# Altium PCB PCB_Kasli.PCBDOC (part 12 of 14)
Units mm, origin at the board's own origin, x right, y up, seen from the top; angles counter-clockwise.
Board outline 162.29 x 100 mm, 6 copper layers (TopLayer, MidLayer1, MidLayer2, SignalLayer1, Internal Plane 1, BottomLayer), stack 1.528 mm thick; 646 components, 567 nets, 2756 pads, 1560 vias.
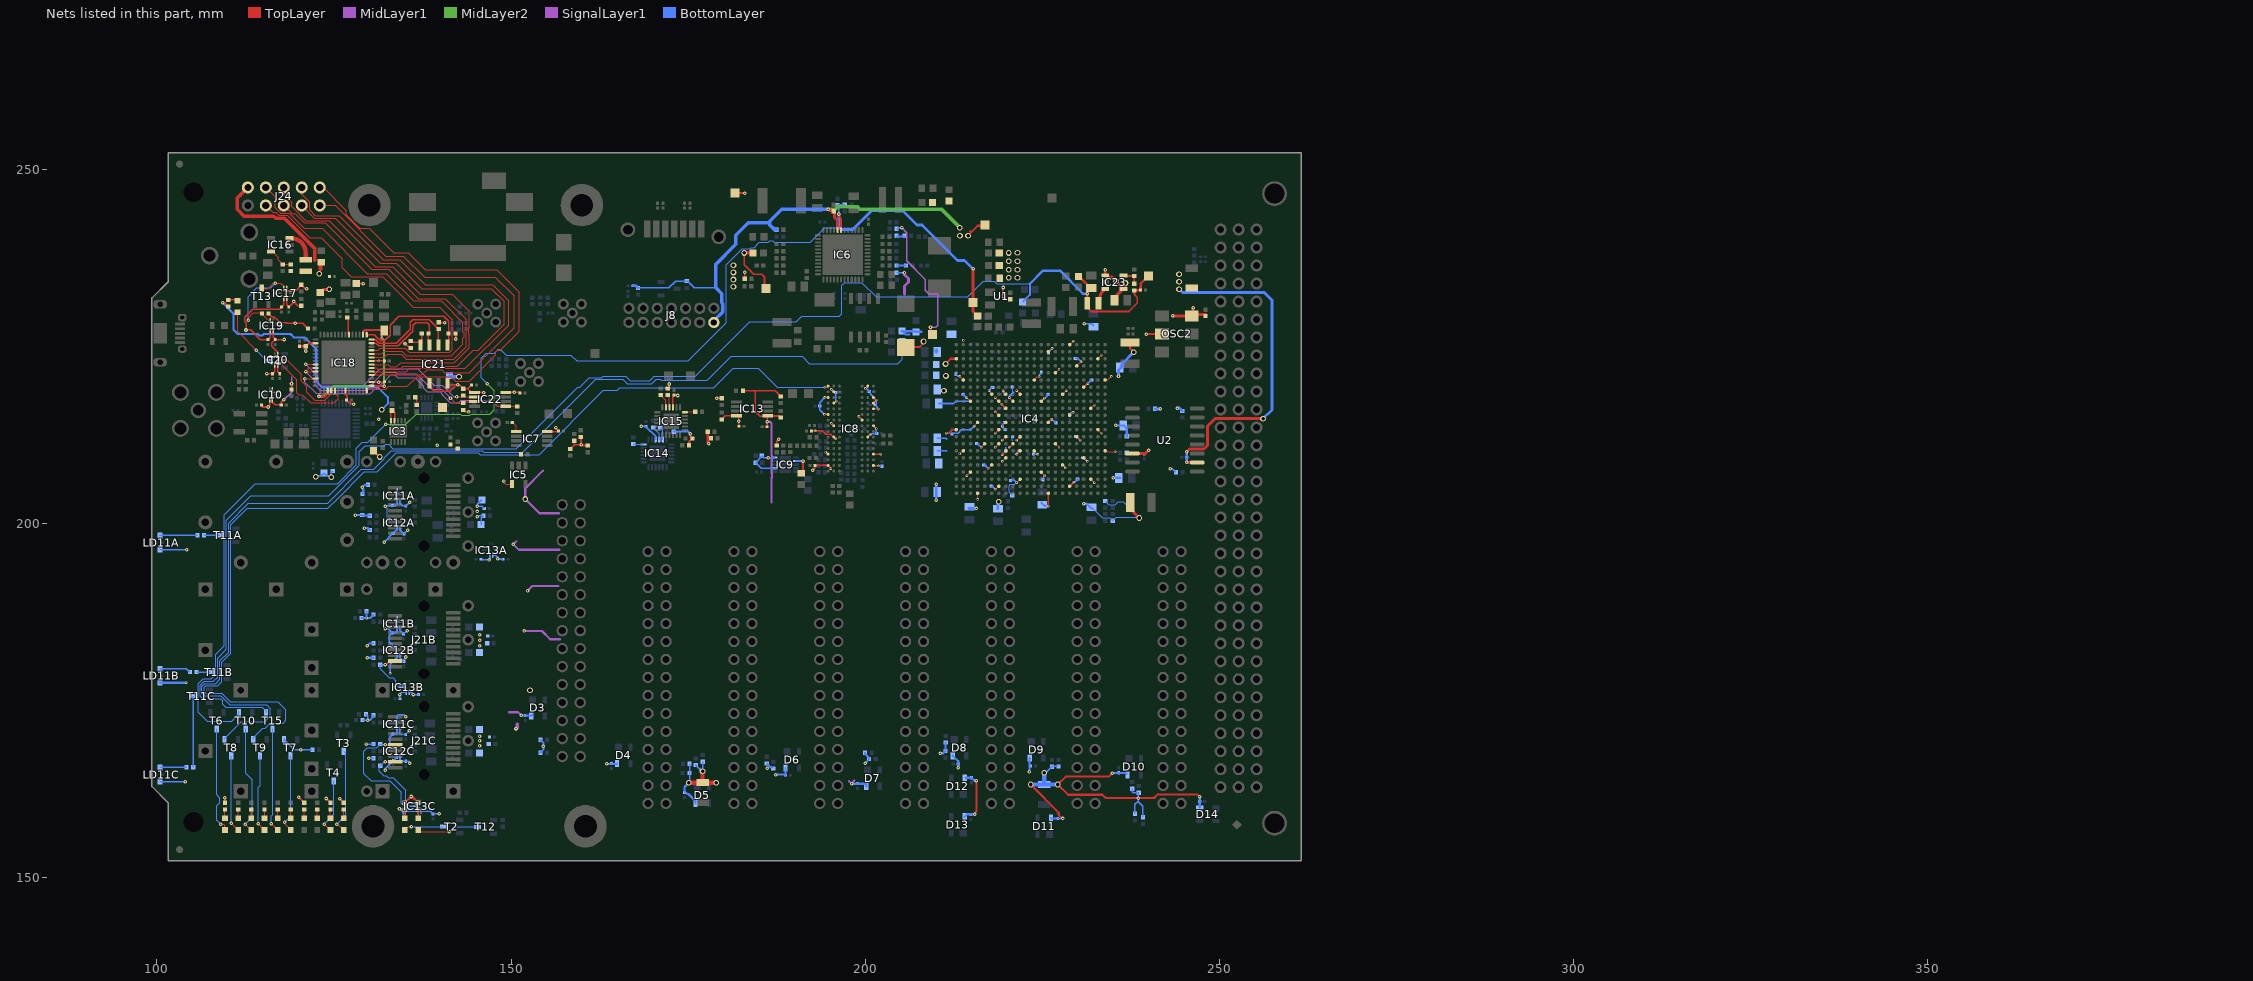
[diagram p16: the nets of this part, all layers, seen from the top]

## Via types
v1: diameter 0.5, hole 0.2, TopLayer to BottomLayer, tented both sides, 724 vias
v2: diameter 0.35, hole 0.15, TopLayer to BottomLayer, tented both sides, 628 vias
v3: diameter 0.8, hole 0.5, TopLayer to BottomLayer, tented both sides, 122 vias
v4: diameter 0.8, hole 0.5, TopLayer to BottomLayer, 66 vias
v5: diameter 0.5, hole 0.2, TopLayer to BottomLayer, 20 vias

## Nets (pads, with @x,y where several pads share a name; then routed paths per layer and width w, separated by ;. In a path a pad name is that pad's centre, name@x,y a point inside that pad or via, vN(x,y) a via of type N, cw(c..) or ccw(c..) an arc to the next point about the centre after c; other vN are vias at no path point) (continued)
NetIC13B_9: IC13B.9 J21B.9 R130B.2 | length 6.9
  TopLayer w0.2: v1(132.225,180.136) 132.282,180.194 132.441,180.194 132.879,180.633 J21B.9@133.629,180.633
  BottomLayer w0.125: v1(132.225,180.136) 131.584,180.136 R130B.2@131.534,180.086 131.534,179.509 132.8,178.243 133.357,178.243 133.743,177.857 133.743,177.3 IC13B.9@134.143,176.9
NetIC13C_8: IC13C.8 J21C.6 R137C.1 | length 18
  TopLayer w0.125: v1(132.225,168.788) J21C.6@133.644,168.788
  BottomLayer w0.125: v1(132.225,168.788) 132.103,168.91 R137C.1@131.534,168.91 131.024,168.4 129.725,168.4 129.184,167.859 129.184,164.741 130.225,163.7 132.9,163.7 134.522,162.078 134.522,160.578 135.36,159.74 IC13C.8@136.186,159.74
NetIC13C_9: IC13C.9 J21C.9 R130C.2 | length 10.8
  TopLayer w0.125: v1(132.225,166.388) J21C.9@133.644,166.388
  BottomLayer w0.125: R130C.2@131.383,165.711 131.383,165.073 132.056,164.4 132.396,164.4 132.658,164.138 133.381,164.138 135.1,162.418 135.1,160.7 135.66,160.14 IC13C.9@136.186,160.14 ; R130C.2@131.534,165.862 132.06,166.388 v1(132.225,166.388)
NetIC14_18: IC14.18 R152.2 | length 1.4
  BottomLayer w0.125: R152.2@167.275,211.275 IC14.18@168.65,211.275
NetIC14_22: IC14.22 R154.2 | length 2.1
  BottomLayer w0.125: R154.2@170.058,213.622 170.925,212.755 IC14.22@170.925,211.9
NetIC14_23: IC14.23 R153.2 | length 1.9
  BottomLayer w0.125: R153.2@171.074,213.622 171.425,213.271 IC14.23@171.425,211.9
NetIC15_18: IC15.18 R177.2 | length 1.4
  TopLayer w0.125: IC15.18@174.63,215.825 R177.2@176.005,215.825
NetIC15_22: IC15.22 R181.2 | length 1.8
  TopLayer w0.125: R181.2@172.143,218.17 172.356,217.957 IC15.22@172.356,216.451
NetIC15_23: IC15.23 R179.2 | length 2
  TopLayer w0.125: R179.2@171.127,218.17 171.856,217.441 IC15.23@171.856,216.451
NetIC16_3: IC16.3 L23.1 | length 4.5
  TopLayer w0.6: IC16.3@118.72,240.341 118.913,240.341 cw(c118.913,238.238) 120.4,239.725 cw(c118.949,238.274) 121.001,238.274 L23.1@121.001,237.274
NetIC16_5: IC16.5 R192.1 R193.2 | length 3.7
  TopLayer w0.15: IC16.5@116.12,238.441 116.359,238.441 117.125,237.675 117.125,237.294 R193.2@117.774,236.645 R192.1@118.875,236.645
NetIC17_2: IC17.2 IC19.2 R194.1 T13.3 | length 16
  TopLayer w0.15: v1(112.875,228.775) 112.875,229.052 113.623,229.8 R194.1@114.775,229.8 ; R194.1@114.808,229.525 114.95,229.525 115.81,228.665 IC19.2@116.005,228.665 ; IC17.2@117.91,233.237 117.91,233.54 117.45,234 v1(116.725,234) 116.425,234 115.646,233.221 T13.3@114.808,233.221 ; T13.3@114.808,233.221 114.808,233.179 114.787,233.2 T13.3@114.808,233.221
  BottomLayer w0.15: v1(112.875,228.775) 112.875,232.1 114.125,233.35 116.075,233.35 v1(116.725,234)
NetIC18_1: IC18.1 IC21.1 R204.1 | length 17.7
  TopLayer w0.2: IC18.1@129.615,226.708 130.692,226.708 131.041,226.359 ; 131.041,226.358 131.574,225.825 132.096,225.825 132.911,226.64 132.911,228.06 134.164,229.313 140.487,229.313 141.193,228.607 R204.1@141.193,226.871 IC21.1@141.193,225.418
NetIC18_6: IC18.6 R199.2 | length 2.5
  TopLayer w0.2: R199.2@126.873,229.146 127.044,228.975 127.044,226.779 IC18.6@127.115,226.708
NetIC18_22: IC18.22 IC22.2 R207.1 | length 29.9
  TopLayer w0.125: v1(120.983,222.508) IC18.22@122.415,222.508 ; v1(142.3,217.95) 143.052,217.95 R207.1@143.235,218.133 143.456,217.912 IC22.2@144.845,217.912
  SignalLayer1 w0.125: v1(120.983,222.508) 122.775,220.716 122.775,219.75 123.05,219.475 129.125,219.475 131.55,221.9 136.85,221.9 139.175,219.575 140.3,219.575 141.925,217.95 v1(142.3,217.95)
NetIC18_23: IC18.23 IC18.24 IC22.3 R206.1 | length 31.5
  TopLayer w0.125: 121.35,221.5 121.342,221.508 ; IC18.24@122.415,221.508 121.342,221.508 ; IC18.23@122.415,222.008 121.508,222.008 121.213,221.713 ; v1(141.45,217.725) 142.134,217.041 R206.1@143.235,217.041 143.456,217.262 IC22.3@144.845,217.262 ; 121.213,221.713 v1(121.008,221.508) 121.342,221.508 ; 121.213,221.713 121.213,221.637 121.342,221.508
  SignalLayer1 w0.125: v1(121.008,221.508) 122.35,220.166 122.35,219.6 123.075,218.875 129.531,218.875 132.056,221.4 133.625,221.4 133.825,221.2 136.6,221.2 138.825,218.975 140.2,218.975 v1(141.45,217.725)
NetIC18_26: IC18.26 IC22.5 R208.2 | length 36.2
  TopLayer w0.125: v1(120.9,220.5) 122.223,220.5 122.323,220.6 IC18.26@122.415,220.508 ; v1(147.05,217.475) 147.2,217.475 148.063,216.612 IC22.5@149.245,216.612 ; IC22.5@149.286,216.571 R208.2@150.893,216.571
  SignalLayer1 w0.125: v1(120.9,220.5) 120.9,220.025 122.477,218.448 123.073,218.448 123.121,218.4 125.902,218.4 125.947,218.446 126.33,218.446 126.376,218.4 130.15,218.4 130.75,219 130.964,219 131.883,219.919 131.919,219.919 133.038,221.038 133.563,221.038 134,220.6 136.5,220.6 137.7,219.4 137.7,219.125 138.2,218.625 139.996,218.625 140.309,218.313 140.309,218.212 141.446,217.075 142.6,217.075 143,217.475 v1(147.05,217.475)
NetIC18_32: IC18.32 IC20.9 | length 11.1
  TopLayer w0.125: IC20.9@117.74,223.139 118.361,223.139 120.4,221.1 120.4,220.225 121.175,219.45 121.175,218.55 122.25,217.475 123.727,217.475 124.615,218.363 IC18.32@124.615,218.808
NetIC18_33: IC18.33 IC20.8 | length 13.1
  TopLayer w0.125: IC20.8@117.74,222.739 117.74,222.335 119.725,220.35 119.725,218.5 120,218.225 120.55,218.225 121.7,217.075 125.018,217.075 125.594,217.65 125.594,217.971 125.115,218.45 IC18.33@125.115,218.808
NetIC18_42: IC18.42 J24.1 | length 66
  TopLayer w0.1: J24.1@122.987,247.498 123.452,247.498 126.75,244.2 126.75,243.654 128.654,241.75 130,241.75 133.45,238.3 135.5,238.3 137.9,235.9 148,235.9 151.175,232.725 151.175,227.2 148.525,224.55 148.114,224.55 147.85,224.286 147.85,223.875 144.125,220.15 142.2,220.15 141.583,220.767 136.724,220.767 135.357,219.4 132.696,219.4 132.277,218.981 129.621,218.981 129.615,218.975 IC18.42@129.615,218.808
NetIC18_46: IC18.46 J24.2 | length 60.5
  TopLayer w0.1: J24.2@122.987,244.958 125.167,244.958 132.325,237.8 134.8,237.8 137.8,234.8 147.8,234.8 150.425,232.175 150.425,227.675 146.4,223.65 146.314,223.65 146.05,223.386 146.05,223.3 144.1,221.35 140.586,221.35 140.186,221.75 138.15,221.75 137.425,221.025 130.332,221.025 IC18.46@130.315,221.008
NetIC18_47: IC18.47 J24.3 | length 62.6
  TopLayer w0.1: J24.3@120.447,247.498 120.447,246.513 121.547,245.413 121.547,244.353 122.375,243.525 125.75,243.525 131.975,237.3 134.3,237.3 137.85,233.75 147.45,233.75 149.7,231.5 149.7,228.075 143.564,221.939 135.606,221.939 135.175,221.508 IC18.47@130.315,221.508
NetIC18_48: IC18.48 J24.4 | length 58.8
  TopLayer w0.1: J24.4@120.447,244.958 122.229,243.175 125.171,243.175 131.546,236.8 133.8,236.8 137.4,233.2 147.225,233.2 149.025,231.4 149.025,228.2 145.35,224.525 144.65,224.525 142.375,222.25 134.8,222.25 134.375,221.825 131.2,221.825 131.017,222.008 IC18.48@130.315,222.008
NetIC18_49: IC18.49 J24.5 | length 54.6
  TopLayer w0.1: J24.5@117.907,247.498 117.907,246.513 119.007,245.413 119.007,244.842 121.024,242.825 124.325,242.825 130.85,236.3 133.3,236.3 137.175,232.425 141.725,232.425 144.1,230.05 144.1,227.786 144.05,227.736 144.05,226.8 144.1,226.75 144.1,224.9 141.975,222.775 134.425,222.775 133.8,222.15 133.037,222.15 132.687,222.5 130.323,222.5 IC18.49@130.315,222.508
NetIC18_51: IC18.51 J24.6 | length 50.8
  TopLayer w0.1: J24.6@117.907,244.958 119.095,243.77 119.555,243.77 120.8,242.525 123.776,242.525 130.351,235.95 132.75,235.95 136.887,231.813 140.712,231.813 143.65,228.875 143.65,225 141.925,223.275 135.175,223.275 134.5,223.95 132.542,223.95 132.1,223.508 IC18.51@130.315,223.508
NetIC18_52: IC18.52 J24.7 | length 53.8
  TopLayer w0.1: J24.7@115.367,247.498 116.675,246.189 116.675,244.634 117.459,243.85 118.675,243.85 120.8,241.725 123.325,241.725 129.7,235.35 132.35,235.35 136.225,231.475 140.125,231.475 143.175,228.425 143.175,227.142 143.356,226.961 143.356,226.408 143.175,226.228 143.175,225.325 141.575,223.725 135.2,223.725 134.55,224.375 132.1,224.375 131.775,224.05 130.357,224.05 IC18.52@130.315,224.008
NetIC18_53: IC18.53 J24.8 | length 49.9
  TopLayer w0.1: J24.8@115.367,244.958 116.327,243.997 116.803,243.997 117.2,243.6 118.375,243.6 121.575,240.4 123.214,240.4 126.15,237.464 126.15,236.179 127.454,234.875 131.911,234.875 136.186,230.6 139.9,230.6 141.7,228.8 141.7,224.55 141.35,224.2 135.625,224.2 135.05,224.775 131.542,224.775 131.275,224.508 IC18.53@130.315,224.508
NetIC18_55: IC18.55 IC21.3 R205.2 | length 12.9
  TopLayer w0.2: IC18.55@130.315,225.508 130.925,225.508 131.283,225.15 134.05,225.15 136.1,227.2 136.1,227.95 136.53,228.38 138.195,228.38 138.45,228.125 138.45,226.998 R205.2@138.323,226.871 IC21.3@138.323,225.418
NetIC18_56: IC18.56 IC21.2 R203.1 | length 14.5
  TopLayer w0.2: IC18.56@130.315,226.008 130.917,226.008 131.389,225.536 133.786,225.536 135.75,227.5 135.75,228.457 136.093,228.8 138.45,228.8 R203.1@139.72,227.53 ; IC21.2@139.72,225.291 R203.1@139.72,227.53 ; R203.1@139.85,227.4 R203.1@139.72,227.53
NetIC21_4: IC21.4 R202.1 R205.1 | length 2.6
  TopLayer w0.2: R202.1@135.825,225.655 IC21.4@137.02,225.655 ; IC21.4@137.383,225.418 R205.1@137.383,226.871
NetIC23_3: IC23.3 L10.1 | length 2.1
  TopLayer w0.3: L10.1@232.956,231.14 cw(c233.779,231.14) L10.1@233.197,231.722
  TopLayer w0.4: L10.1@233.15,231.925 cw(c234.345,231.925) 233.5,232.77 IC23.3@233.898,233.168
NetIC23_5: IC23.5 R14.1 R67.2 | length 2.5
  TopLayer w0.25: IC23.5@236.578,234.988 R67.2@237.998,234.988 R14.1@237.998,233.896
NetLD1_1: LD1.1 R15.1 | length 1.3
  TopLayer w0.2: R15.1@110.094,231.636 111.264,231.636 LD1.1@111.375,231.525
NetLD1_2: LD1.2 T1.3 | length 8.6
  TopLayer w0.125: LD1.2@111.375,229.875 111.375,227.175 v1(114.025,224.525)
  BottomLayer w0.125: v1(114.025,224.525) T1.3@115.538,223.012
NetLD2_1: LD2.1 R44.1 | length 1.2
  TopLayer w0.15: LD2.1@126.365,158.432 R44.1@126.365,159.677
NetLD2_2: LD2.2 T3.3 | length 12.3
  TopLayer w0.15: v1(125.375,157.6) 125.547,157.6 LD2.2@126.365,156.782
  BottomLayer w0.15: v1(125.375,157.6) 126.675,158.9 126.675,167.577 T3.3@126.365,167.887
NetLD3_1: LD3.1 R55.1 | length 1.2
  TopLayer w0.15: LD3.1@124.502,158.432 R55.1@124.502,159.677
NetLD3_2: LD3.2 T4.3 | length 7.8
  TopLayer w0.15: v1(123.6,157.6) LD3.2@124.418,156.782
  BottomLayer w0.15: v1(123.6,157.6) 124.968,158.968 T4.3@124.968,163.696
NetLD4_1: LD4.1 R82.1 | length 1.2
  TopLayer w0.15: LD4.1@109.601,158.432 R82.1@109.601,159.677
NetLD4_2: LD4.2 T6.3 | length 15.4
  TopLayer w0.15: v1(109,157.575) 109.4,157.575 109.601,157.374 LD4.2@109.601,156.782
  BottomLayer w0.15: T6.3@108.458,171.062 108.458,161.717 108.9,161.275 108.9,160.603 108.458,160.161 108.458,158.117 v1(109,157.575)
NetLD5_1: LD5.1 R88.1 | length 1.2
  TopLayer w0.15: LD5.1@118.914,158.432 R88.1@118.914,159.677
NetLD5_2: LD5.2 T7.3 | length 11.2
  TopLayer w0.15: v1(118.025,157.85) 118.025,157.671 LD5.2@118.914,156.782
  BottomLayer w0.15: v1(118.025,157.85) 118.872,158.697 T7.3@118.872,167.252
NetLD6_1: LD6.1 R89.1 | length 1.2
  TopLayer w0.15: LD6.1@111.464,158.432 R89.1@111.464,159.677
NetLD6_2: LD6.2 T8.3 | length 10.9
  TopLayer w0.15: v1(110.49,157.71) LD6.2@111.418,156.782
  BottomLayer w0.15: v1(110.49,157.71) T8.3@110.49,167.252
NetLD7_1: LD7.1 R90.1 | length 1.2
  TopLayer w0.15: LD7.1@115.189,158.432 R90.1@115.189,159.677
NetLD7_2: LD7.2 T9.3 | length 10.8
  TopLayer w0.15: v1(114.3,157.625) LD7.2@115.043,156.882
  BottomLayer w0.15: v1(114.3,157.625) 114.3,162.8 114.554,163.054 T9.3@114.554,167.252
NetLD8_1: LD8.1 R91.1 | length 1.2
  TopLayer w0.15: LD8.1@113.326,158.432 R91.1@113.326,159.677
NetLD8_2: LD8.2 T10.3 | length 15.4
  TopLayer w0.15: v1(112.475,157.6) LD8.2@113.293,156.782
  BottomLayer w0.15: v1(112.475,157.6) 113.425,158.55 113.425,163.9 112.522,164.803 T10.3@112.522,171.062
NetLD9_1: LD9.1 R86.1 | length 1.2
  TopLayer w0.15: LD9.1@122.64,158.432 R86.1@122.64,159.677
NetLD10_1: LD10.1 R87.1 | length 1.2
  TopLayer w0.15: LD10.1@120.777,158.432 R87.1@120.777,159.677
NetLD11A_1: LD11A.1 R143A.2 | length 5.3
  BottomLayer w0.2: LD11A.1@100.4,198.35 100.424,198.374 R143A.2@105.702,198.374
NetLD11B_1: LD11B.1 R143B.2 | length 4.5
  BottomLayer w0.2: LD11B.1@100.4,179.562 102.911,179.562 104.168,179.562 R143B.2@104.655,179.075
NetLD11C_1: LD11C.1 R143C.2 | length 3.8
  BottomLayer w0.2: LD11C.1@100.4,165.6 102.952,165.6 102.961,165.608 R143C.2@104.178,165.608
NetLD12_1: LD12.1 R74.1 | length 1.2
  TopLayer w0.15: LD12.1@117.052,158.432 R74.1@117.052,159.677
NetLD12_2: LD12.2 T15.3 | length 14.7
  TopLayer w0.15: v1(116.125,157.65) LD12.2@116.993,156.782
  BottomLayer w0.15: v1(116.125,157.65) 116.125,158.75 116.332,158.957 T15.3@116.332,171.062
NetLD13_1: LD13.1 R11.1 | length 1.2
  TopLayer w0.2: LD13.1@135,158.432 R11.1@135,159.677
NetLD13_2: LD13.2 T2.3 | length 5.7
  TopLayer w0.125: LD13.2@135,156.782 135.48,157.262 v1(135.938,157.262)
  BottomLayer w0.125: v1(135.938,157.262) T2.3@140.453,157.262
NetLD14_1: LD14.1 R20.1 | length 1.2
  TopLayer w0.2: LD14.1@136.9,158.432 R20.1@136.9,159.677
NetLD14_2: LD14.2 T12.3 | length 8.4
  TopLayer w0.125: LD14.2@137.182,156.5 v1(141.3,156.5)
  BottomLayer w0.125: v1(141.3,156.5) 142,157.2 T12.3@145.25,157.2
NetR10_1: R10.1 R28.2 | length 1.2
  TopLayer w0.2: R28.2@136.47,217.875 136.7,217.645 R10.1@136.7,216.77
NetR63_2: R63.2 R64.1 | length 1.3
  BottomLayer w0.3: R64.1@204.432,236.474 R63.2@205.778,236.474
NetR70_2: R70.2 R71.1 | length 1.1
  BottomLayer w0.3: R71.1@204.432,240.538 204.469,240.575 205.487,240.575 R70.2@205.524,240.538
NetR143A_1: R143A.1 T11A.3 | length 2.2
  BottomLayer w0.2: R143A.1@106.642,198.374 T11A.3@108.832,198.374
NetR143B_1: R143B.1 T11B.3 | length 2
  BottomLayer w0.2: R143B.1@105.595,179.075 T11B.3@107.557,179.075
NetR143C_1: R143C.1 T11C.3 | length 10.1
  BottomLayer w0.2: R143C.1@105.118,165.608 T11C.3@105.118,175.668
P1V0: C91.1 C92.2 C93.2 C94.2 C95.2 C96.2 C102.2 C103.2 C104.2 C105.2 C106.2 C107.2 C108.2 C109.2 C110.2 C141.2 IC4.H8 IC4.H10 IC4.J7 IC4.J9 IC4.K8 IC4.L7 IC4.M8 IC4.N7 IC4.P8 IC4.P10 IC4.R7 IC4.R9 IC4.T8 IC4.T10 L11.2 L12.2 L28.2 R69.2 T8.1 TP9.1 | length 210.3
  TopLayer w0.125: v2(218.372,210.815) IC4.R7@218.872,211.315 ; v2(218.372,212.815) IC4.N7@218.872,213.315 ; v2(218.372,215.815) IC4.L7@218.872,215.315 ; v2(218.372,217.815) IC4.J7@218.872,217.315 ; v2(219.372,211.815) IC4.P8@219.872,212.315 ; v2(219.372,213.815) IC4.M8@219.872,214.315 ; v2(220.336,210.835) 220.392,210.835 IC4.R9@220.872,211.315 ; v2(220.372,217.815) IC4.J9@220.872,217.315 ; v2(221.372,211.815) IC4.P10@221.872,212.315 ; v2(221.372,218.815) IC4.H10@221.872,218.315
  TopLayer w0.2: v2(219.325,209.768) IC4.T8@219.872,210.315 ; v2(221.425,209.815) 221.425,209.868 IC4.T10@221.872,210.315
  TopLayer w0.25: C91.1@205.75,224.9 205.825,224.975 207.725,224.975 208.5,225.75 v3(208.25,225.75) ; TP9.1@209.225,226.475 v1(209.225,227.775)
  TopLayer w0.3: v2(219.3,216.887) IC4.K8@219.872,216.315 ; v2@219.45,218.775 v2(219.486,218.811) 219.486,218.701 IC4.H8@219.872,218.315
  MidLayer1 w0.25: v1(205.147,241.842) 205.875,241.114 205.875,237.125 208.5,234.5 208.5,233 209,232.5 210.25,232.5 210.25,228.017 210.008,227.775 v1(209.225,227.775)
  BottomLayer w0.15: T8.1@109.54,169.552 109.54,169.715 111.9,172.075 115.25,172.075 116.025,172.85 116.025,173.9 115.475,174.45 110.275,174.45 109.025,175.7 106.725,175.7 106.35,176.075 106.35,177.05 106.75,177.45 108.293,177.45 108.875,178.032 108.875,180.65 110.125,181.9 110.125,200.1 112.925,202.9 124.1,202.9 128.875,207.675 130.584,207.675 132.1,209.191 132.1,209.35 133.1,210.35 145.925,210.35 146.15,210.125 151.625,210.125 161.925,220.425 165.8,220.425 166.425,219.8 169.875,219.8 170.5,220.425 171.047,220.425 171.197,220.275 177.725,220.275 181.088,223.638 191.1,223.638 192.112,222.625 204.625,222.625 205.25,223.25 L28.2@205.25,224.275 ; 220.506,218.188 220.533,218.215 220.825,218.507 220.825,219.23 C104.2@220.751,219.304 ; C103.2@220.8,212.293 220.8,211.824 220.809,211.815 ; 221.125,209.875 221.425,209.875 221.5,209.875 221.65,210.025 221.65,209.925 221.6,209.875
  BottomLayer w0.2: R69.2@204.432,241.554 204.72,241.842 v1(205.147,241.842) ; 212.9,217.3 213.709,217.3 ; 213.9,217.3 214.9,217.3 ; v2(219.486,218.811) 219.486,218.589 C95.2@219.775,218.3 ; C105.2@219.7,214.318 219.372,213.99 v2(219.372,213.815) 219.372,213.678 C106.2@219.75,213.3 ; C108.2@219.85,210.3 219.85,210.85 ; v2(221.425,209.815) 221.425,209.875 221.425,210 C107.2@221.725,210.3
  BottomLayer w0.25: L28.2@205.2,224.275 205.675,224.75 206.5,224.75 ; L11.2@205.2,225.75 205.7,225.25 206.25,225.25 ; C92.2@210.196,210.312 211.438,210.312 211.5,210.25 ; C110.2@210.196,212.09 211.41,212.09 211.5,212 ; C93.2@210.4,217 212.5,217 212.75,217.25
  BottomLayer w0.3: L12.2@205.2,227.225 205.25,227.175 205.675,226.75 206.25,226.75 ; v2(220.372,217.815) 220.372,218.017 220.915,218.56
  BottomLayer w0.35: L28.2@205.2,224.275 205.25,224.275 205.925,224.275 ; L11.2@205.2,225.75 205.975,225.75 ; L12.2@205.2,227.225 205.761,227.225 ; L12.2@205.25,227.175 206.338,227.175 206.388,227.225 207.05,227.225 C141.2@207.175,227.1 207.9,227.1 ; C96.2@218.75,202.15 218.75,203.024 v3(218.861,203.135)
  other v2: 213.875,225.925
P1V2: C158.2 IC6.7 L18.1 R92.2 T10.1 TP11.1 | length 192.7
  TopLayer w0.3: v1(196.29,243.75) 196.29,243.407 196.6,243.097 IC6.7@196.6,241.498
  TopLayer w0.4: v1(215.25,236) TP11.1@215.25,231.25 215.25,230 L18.1@215.9,229.35
  MidLayer2 w0.15: v1(132.3,214.05) 135.15,214.05 136.6,215.5 142.85,215.5 143.025,215.325 144.196,215.325 144.372,215.5 146.975,215.5 147.6,216.125 147.6,218.825 v1(146.625,219.8)
  BottomLayer w0.15: T10.1@111.572,173.578 T10.1@111.572,173.362 111.572,173.162 110.535,172.125 107.1,172.125 105.825,173.4 105.825,177.4 106.55,178.125 107.7,178.125 108.275,178.7 108.275,181.575 109.5,182.8 109.5,201.3 113.875,205.675 125.53,205.675 128.175,208.32 128.175,210.675 129,211.5 129.75,211.5 v1(132.3,214.05) ; v1(146.625,219.8) 145.8,220.625 145.8,223.4 146.5,224.1 147.628,224.1 148.103,224.575 148.55,224.575 149.3,223.825 158.45,223.825 159.25,223.025 175.05,223.025 180.4,228.375 180.4,236.609 182.668,238.877 183.805,238.877 183.928,239 184.322,239 185.072,239.75 186.284,239.75 186.531,239.997 186.925,239.997 187.172,239.75 192.223,239.75 194.281,241.808 194.745,241.808 194.753,241.8 195.147,241.8 195.155,241.808 196.342,241.808
  BottomLayer w0.2: v1(196.29,243.75) 196.29,244.626 196.25,244.666 196.342,244.758 C158.2@196.1,245 196.172,245.072 R92.2@197.104,245.072
  BottomLayer w0.4: v1(196.29,243.75) 196.29,241.86 196.342,241.808 196.575,241.575 198.25,241.575 200.925,244.25 205.25,244.25 207.3,242.2 208.05,242.2 213.05,237.2 214.05,237.2 v1(215.25,236)
P1V5: C60.2 C64.2 C81.2 C82.2 C83.2 C84.2 C85.2 C164.2 C165.2 C166.2 C167.2 C168.2 C169.2 C170.2 C171.2 C176.2 C240.2 IC4.C1 IC4.F2 IC4.H6 IC4.J3 IC4.M4 IC4.N1 IC8.A1 IC8.A8 IC8.B2 IC8.C1 IC8.C9 IC8.D2 IC8.D9 IC8.E9 IC8.F1 IC8.G7 IC8.H2 IC8.H9 IC8.K2 IC8.K8 IC8.N1 IC8.N9 IC8.R1 IC8.R9 IC9.2 L17.2 R61.1 R128.1 T9.1 TP10.1 | length 197.4
  TopLayer w0.125: v2(213.372,220.815) IC4.F2@213.872,220.315 ; v2(214.372,217.815) IC4.J3@214.872,217.315 ; v2(215.372,213.815) IC4.M4@215.872,214.315 ; v2(217.5,218.825) 217.5,218.725 217.872,218.353 IC4.H6@217.872,218.315
  TopLayer w0.2: R128.1@187.525,211.045 187.525,211.65 v1(187.825,211.95) ; C168.2@192.425,213.125 v2(192.925,213.125) 193.975,213.125 194.45,212.65 195.166,212.65 IC8.K2@195.567,212.249 195.816,212 v2(195.873,212) ; v1(192.6,207.575) 192.9,207.875 C167.2@192.9,208.25 IC8.R1@194.767,208.249 ; v2(194.251,215.449) IC8.F1@194.767,215.449 ; v2(194.309,219.291) 194.609,219.291 IC8.A1@194.767,219.449 ; v2(194.317,217.849) IC8.C1@194.767,217.849 ; v2(194.409,210.11) 194.419,210.101 194.488,210.101 194.74,209.849 IC8.N1@194.767,209.849 ; IC8.R1@194.767,208.249 195.171,207.845 v2(195.171,207.795) ; v2(195.225,218.991) IC8.B2@195.567,218.649 ; v2(195.241,214.175) IC8.H2@195.567,213.849 ; IC8.D2@195.567,217.049 195.623,217.049 v2(195.913,217.338) ; v2(199.105,215.169) 199.105,215.14 199.567,214.678 IC8.G7@199.567,214.649 ; v2(200.043,219.125) IC8.A8@200.367,219.449 ; IC8.K8@200.367,212.249 v2@200.678,212.56 ; IC8.R9@201.167,208.249 201.231,208.185 v2(201.885,208.185) v2@201.91,208.185 ; IC8.N9@201.167,209.849 v2(202.201,209.849) ; IC8.H9@201.167,213.849 201.167,213.841 201.575,213.433 v2(201.575,213.425) ; IC8.D9@201.167,217.093 201.189,217.093 201.56,217.464 v2(201.56,217.486) 201.545,217.486 201.182,217.849 IC8.C9@201.167,217.849 ; IC8.E9@201.264,216.275 201.667,216.275 201.703,216.239 201.856,216.239 v2(201.885,216.211) ; v2(211.455,212.811) 211.464,212.82 211.836,212.82 212.293,213.277 212.834,213.277 IC4.N1@212.872,213.315